# Altium PCB LOGTURTLE_APR_25_TX.PcbDoc (part 1 of 5) (continued)
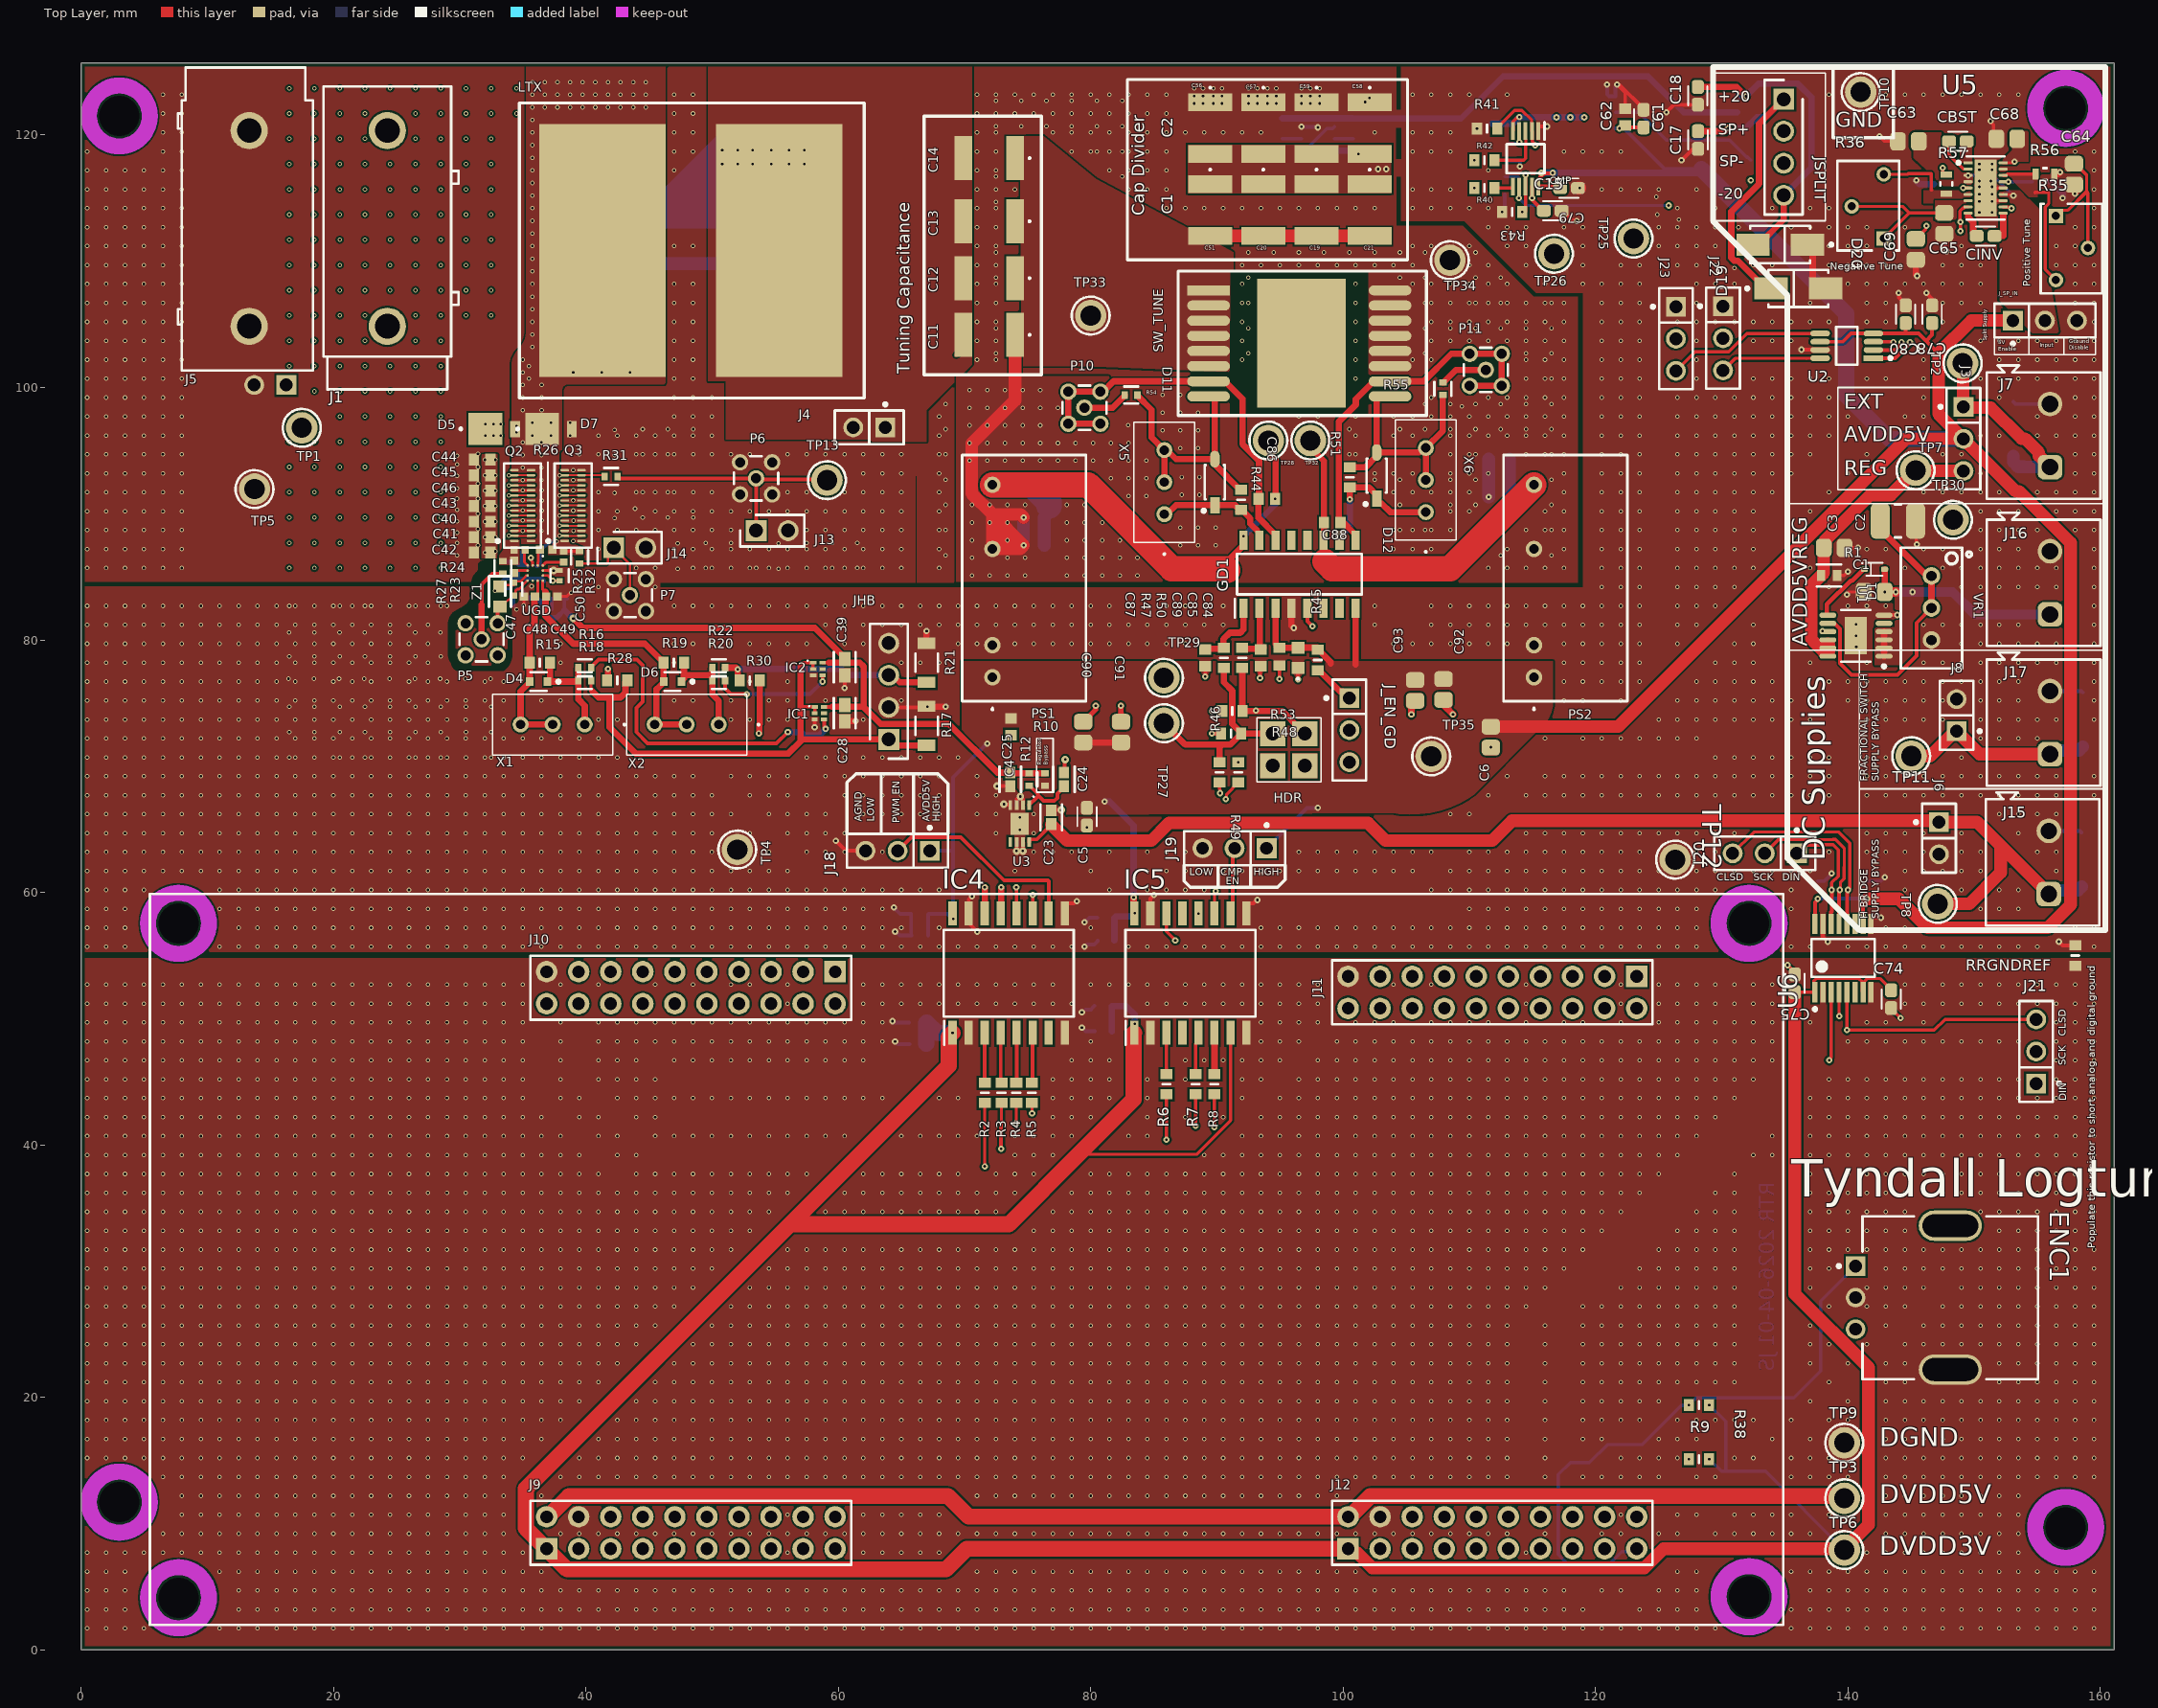
[diagram p0: Top Layer view]
## Part data (continued)
C4 C53 C55 C62 C70 C72 C86 C88: library part CC0603KRX7R7BB104, "Ceramic Capacitor, Multilayer, Ceramic, 16V, 10% +Tol, 10% -Tol, X7R, 15% TC, 0.1uF, Surface Mount, 0603 https://www.digikey.ie/en/products/detail/yageo/CC0603KRX7R7BB104/302822", Capacitor Type=Ceramic, Case/Package=0603, Manufacturer=Yageo, Max Operating Temperature=125°C, Min Operating Temperature=-55°C, Package Shape=Rectangular, Package Style=SMTMeter, Rated DC Voltage (URdc)=16V, Supplier Part Number=311-1088-1-ND, Temperature Characteristics Code=X7R, Tolerance  (fill in as +-)=10%, Category="Ceramic Capacitors", ComponentLink1Description=https://datasheet.ciiva.com:443/pdfs/VipMasterIC/IC/YAGO/YAGO-S-A0003557223/YAGO-S-A0003557223-1.pdf?src-supplier=IHS+Markit, ComponentLink1URL=https://datasheet.ciiva.com:443/pdfs/VipMasterIC/IC/YAGO/YAGO-S-A0003557223/YAGO-S-A0003557223-1.pdf?src-supplier=IHS+Markit, ComponentLink2Description=https://datasheet.ciiva.com/11786/0900766b80d84f1d-11786077.pdf?src-supplier=Rs, ComponentLink2URL=https://datasheet.ciiva.com/11786/0900766b80d84f1d-11786077.pdf?src-supplier=Rs, ComponentLink3Description=https://datasheet.ciiva.com/8033/70765-8033799.pdf?src-supplier=Element14, ComponentLink3URL=https://datasheet.ciiva.com/8033/70765-8033799.pdf?src-supplier=Element14, ComponentLink4Description=https://datasheet.ciiva.com/7978/1489800-7978141.pdf?src-supplier=Element14, ComponentLink4URL=https://datasheet.ciiva.com/7978/1489800-7978141.pdf?src-supplier=Element14, ComponentLink5Description=https://datasheet.ciiva.com/28450/1489800-28450552.pdf?src-supplier=Element14, ComponentLink5URL=https://datasheet.ciiva.com/28450/1489800-28450552.pdf?src-supplier=Element14, ComponentLink6Description=https://datasheet.ciiva.com/46430/1734573-46430156.pdf?src-supplier=Element14, ComponentLink6URL=https://datasheet.ciiva.com/46430/1734573-46430156.pdf?src-supplier=Element14, ComponentLink7Description=https://datasheet.ciiva.com/144/mlccorderingcode-144183.pdf?src-supplier=Digikey, ComponentLink7URL=https://datasheet.ciiva.com/144/mlccorderingcode-144183.pdf?src-supplier=Digikey, ComponentLink8Description=https://datasheet.ciiva.com/144/mlccorderingcode-144182.pdf?src-supplier=Digikey, ComponentLink8URL=https://datasheet.ciiva.com/144/mlccorderingcode-144182.pdf?src-supplier=Digikey, ComponentLink9Description=https://datasheet.ciiva.com/144/mlccorderingcode-144184.pdf?src-supplier=Digikey, ComponentLink9URL=https://datasheet.ciiva.com/144/mlccorderingcode-144184.pdf?src-supplier=Digikey, ComponentLink10Description=https://datasheet.ciiva.com/8033/1734573-8033797.pdf?src-supplier=Element14, ComponentLink10URL=https://datasheet.ciiva.com/8033/1734573-8033797.pdf?src-supplier=Element14, ComponentLink11Description=https://datasheet.ciiva.com/13395/upy-gphc-x7r-6-3v-to-50v-8-13395674.pdf?src-supplier=Mouser, ComponentLink11URL=https://datasheet.ciiva.com/13395/upy-gphc-x7r-6-3v-to-50v-8-13395674.pdf?src-supplier=Mouser, Dielectric Material=Ceramic, Height=0.8mm, JESD-609 Code=e3, Length=1.6mm, Manufacturer Part Number=CC0603KRX7R7BB104, Mounting Technology="Surface Mount", Multilayer=Yes, Packaging="Tape and Reel", Pins=2, Reach SVHC Compliant=Yes, RoHS=Yes, RoHS Compliant=Yes, Stock=8597331, Supplier=Digikey, Terminal Finish=Nickel, Termination=Wraparound, Tolerance (fill in as +-)=10%, Width=0.8mm
C5 C54 C60 C61 C71 C73 C74 C75 C76 C77 C78 C80 CBST CINV: library part CC0603KRX7R7BB105, "Ceramic Capacitor, Multilayer, Ceramic, 16V, 10% +Tol, 10% -Tol, X7R, 15% TC, 1uF, Surface Mount, 0603 https://www.digikey.ie/en/products/detail/yageo/CC0603KRX7R7BB105/2833611", Capacitor Type=Ceramic, Case/Package=0603, Manufacturer=Yageo, Max Operating Temperature=125°C, Min Operating Temperature=-55°C, Package Shape=Rectangular, Package Style=SMTMeter, Rated DC Voltage (URdc)=16V, Supplier Part Number=311-1446-6-ND, Temperature Characteristics Code=X7R, Tolerance  (fill in as +-)=10%, Category="Ceramic Capacitors", ComponentLink1Description=https://datasheet.ciiva.com:443/pdfs/VipMasterIC/IC/YAGO/YAGO-S-A0003557223/YAGO-S-A0003557223-1.pdf?src-supplier=IHS+Markit, ComponentLink1URL=https://datasheet.ciiva.com:443/pdfs/VipMasterIC/IC/YAGO/YAGO-S-A0003557223/YAGO-S-A0003557223-1.pdf?src-supplier=IHS+Markit, ComponentLink2Description=https://datasheet.ciiva.com/8033/1734573-8033801.pdf?src-supplier=Element14, ComponentLink2URL=https://datasheet.ciiva.com/8033/1734573-8033801.pdf?src-supplier=Element14, ComponentLink3Description=https://datasheet.ciiva.com/8033/1734573-8033800.pdf?src-supplier=Element14, ComponentLink3URL=https://datasheet.ciiva.com/8033/1734573-8033800.pdf?src-supplier=Element14, ComponentLink4Description=https://datasheet.ciiva.com/7978/1489800-7978143.pdf?src-supplier=Element14, ComponentLink4URL=https://datasheet.ciiva.com/7978/1489800-7978143.pdf?src-supplier=Element14, ComponentLink5Description=https://datasheet.ciiva.com/28450/1489800-28450557.pdf?src-supplier=Element14, ComponentLink5URL=https://datasheet.ciiva.com/28450/1489800-28450557.pdf?src-supplier=Element14, ComponentLink6Description=https://datasheet.ciiva.com/176/mlccorderingcode-176789.pdf?src-supplier=Digikey, ComponentLink6URL=https://datasheet.ciiva.com/176/mlccorderingcode-176789.pdf?src-supplier=Digikey, ComponentLink7Description=https://datasheet.ciiva.com/176/mlccorderingcode-176788.pdf?src-supplier=Digikey, ComponentLink7URL=https://datasheet.ciiva.com/176/mlccorderingcode-176788.pdf?src-supplier=Digikey, ComponentLink8Description=https://datasheet.ciiva.com/176/mlccorderingcode-176790.pdf?src-supplier=Digikey, ComponentLink8URL=https://datasheet.ciiva.com/176/mlccorderingcode-176790.pdf?src-supplier=Digikey, ComponentLink9Description=https://datasheet.ciiva.com/5425/upy-gphc-x7r-6-3v-to-50v-8-12304-5425495.pdf?src-supplier=Mouser, ComponentLink9URL=https://datasheet.ciiva.com/5425/upy-gphc-x7r-6-3v-to-50v-8-12304-5425495.pdf?src-supplier=Mouser, Dielectric Material=Ceramic, Height=0.8mm, JESD-609 Code=e3, Length=1.6mm, Manufacturer Part Number=CC0603KRX7R7BB105, Mounting Technology="Surface Mount", Multilayer=Yes, Packaging="Tape and Reel", Pins=2, Reach SVHC Compliant=Yes, RoHS=Yes, RoHS Compliant=Yes, Stock=9128438, Supplier=Digikey, Terminal Finish=Nickel, Termination=Wraparound, Tolerance (fill in as +-)=10%, Width=0.8mm
C7 C8 C9 C10 C11 C12 C13 C14 C56 C57 C58 C59: "Capacitor", Manufacturer_Name=YAGEO, Datasheet Link=https://content.kemet.com/datasheets/KEM_C1080_C0G_HV_AUTO_SMD.pdf, Height=1.55mm, Manufacturer_Part_Number=C1812C102JDGACAUTO
C19 C20 C21 C51: library part C1812C102JDGACAUTO, "Capacitor", Manufacturer_Name=YAGEO, Datasheet Link=https://content.kemet.com/datasheets/KEM_C1080_C0G_HV_AUTO_SMD.pdf, Height=1.55mm, Manufacturer_Part_Number=C1812C102JDGACAUTO
C22 C26: library part CMP-2100-03641-2, "CAP CER 0.1UF 16V X7R 0402", Capacitance=0.10μF, Manufacturer=Murata, Package=GRM15, Temperature="-55°C to +125°C", Temperature Characteristic=X7R, Temperature Range High=+125°C, Temperature Range Low=-55°C, Tolerance=10%, Voltage Rating=16Vdc, Category=Cap, ComponentLink2Description=Datasheet, ComponentLink2URL=https://search.murata.co.jp/Ceramy/image/img/A01X/G101/ENG/GRM155R71H471KA01-01A.pdf, Device Class L1="Passive Components", Device Class L2=Capacitors, Device Class L3="Ceramic Capacitors", Digikey Description="CAP CER 0.1UF 16V X7R 0402", Height=0.55mm, Ipc Land Pattern Name=CAPC10050X219, Lead Free=yes, Manufacturer Part Number=GRM155R71C104KA88D, Material=Ceramic, Mouser Description="0402 0.1 uF 16V ±10 % Tolerance X7R SMT Multilayer Ceramic Capacitor", Octopart=https://octopart.com/grm155r71c104ka88d-murata-196880, RoHS=TRUE, Standoff Height=0mm
C23 C24 C25: library part CMP-08246-005723-1, "Multilayer Ceramic Capacitors 1μF ±10% 25V X7R SMD 0603", Capacitance=1uF, Case Code (Imperial)=0603, Case Code (Metric)=1608, Dielectric=X7R, Dielectric Material=Ceramic, Max Operating Temperature=125°C, Min Operating Temperature=-55°C, Package Quantity=4000, Tolerance=10%, Voltage=25V, Case/Package=0603, Construction=Flat, Depth=0.8mm, Height=0.8mm, Lead Free="Lead Free", Length=1.6mm, Mount="Surface Mount", Packaging="Tape and Reel", Radiation Hardening=No, REACH SVHC="No SVHC", Resistor Type=Ceramic, RoHS Compliant=Yes, Series=C, Termination=SMD/SMT, Thickness=0.037inch, Voltage Rating=25V, Voltage Rating (DC)=25V, Weight=7.1E-05oz, Width=0.031inch
C27: library part CMP-08246-005626-1, "Multilayer Ceramic Capacitors 22nF ±10% 25V X7R SMD 0402", Capacitance=22nF, Case Code (Imperial)=0402, Case Code (Metric)=1005, Dielectric=X7R, Dielectric Material=Ceramic, Max Operating Temperature=125°C, Min Operating Temperature=-55°C, Package Quantity=1, Tolerance=10%, Voltage Rating=25V, Case/Package=0402, Construction=Flat, Depth=0.5mm, Height=0.5mm, Lead Free="Lead Free", Length=1mm, Mount="Surface Mount", Number of Pins=2, Packaging="Tape and Reel", Radiation Hardening=No, REACH SVHC="No SVHC", Resistor Type=Ceramic, RoHS Compliant=Yes, Series=C, Termination=SMD/SMT, Thickness=0.022inch, Voltage Rating (DC)=25V, Weight=2.3E-05oz, Width=0.02inch
C28 C39: library part CMP-2000-05395-2, "Multilayer Ceramic Capacitors 100nF ±10% 25V X7R SMD 0603", Capacitance=100nF, Case Code (Imperial)=0603, Case Code (Metric)=1608, Dielectric=X7R, Dielectric Material=Ceramic, Max Operating Temperature=125°C, Min Operating Temperature=-55°C, Package Quantity=1, Tolerance=10%, Voltage=25V, Case/Package=0603, Construction=Flat, Depth=0.8mm, Height=0.8mm, Lead Free="Lead Free", Length=1.6mm, Mount="Surface Mount", Number of Pins=2, Packaging="Tape and Reel", Radiation Hardening=No, REACH SVHC="No SVHC", Resistor Type=Ceramic, RoHS Compliant=Yes, Series=C, Termination=SMD/SMT, Thickness=0.037inch, Voltage Rating=25V, Voltage Rating (DC)=25V, Weight=7.1E-05oz, Width=0.031inch
C29 C30 C31 C32 C33 C34 C35 C36 C37 C38: "Multilayer Ceramic Capacitors 1μF ±20% 100V X7S SMD 0805", Capacitance=1uF, Manufacturer_Name=TDK, Mouser Part Number=810-C2012X7S2A105M, Datasheet Link=https://product.tdk.com/info/en/catalog/datasheets/mlcc_commercial_midvoltage_en.pdf, Height=1.45mm, Manufacturer_Part_Number=C2012X7S2A105M125AB, Mouser Price/Stock=https://www.mouser.co.uk/ProductDetail/TDK/C2012X7S2A105M125AB/?qs=NRhsANhppD%252BVdUt3hZqBMQ%3D%3D
C40 C41 C42 C43 C44 C45 C46: "Capacitor", Capacitance=100nF, Manufacturer_Name="TAIYO YUDEN", Mouser Part Number=963-HMK107C7224KAHTE, Datasheet Link=https://componentsearchengine.com/Datasheets/1/HMK107C7224KAHTE.pdf, Height=0.9mm, Manufacturer_Part_Number=HMK107C7224KAHTE, Mouser Price/Stock=https://www.mouser.co.uk/ProductDetail/Taiyo-Yuden/HMK107C7224KAHTE?qs=VWNNG7jHlrKdSvXhIn%252BDVA%3D%3D
C47: library part CMP-03422-000286-1, "CAP CER 0.1UF 25V X7R 0402", Capacitance="100 nF", Manufacturer=YAGEO, Package=CC0402, Temperature="-55°C to +125°C", Temperature Characteristic=X7R, Temperature Coefficient=30ppm/°C, Temperature Range High=+125°C, Temperature Range Low=-55°C, Tolerance=0.1, Voltage Rating="25 V", Automotive=No, Automotive Grade=NA, Category=Cap, ComponentLink2Description=Datasheet, ComponentLink2URL=http://www.yageo.com/documents/recent/UPY-GP_NP0_16V-to-50V_16.pdf, Device Class L1="Passive Components", Device Class L2=Capacitors, Device Class L3="Ceramic Capacitors", Digikey Description="CAP CER 0.1UF 25V X7R 0402", Footprint Url=http://www.yageo.com/exep/pages/download/literatures/UPY-C_GEN_24.pdf, Height=0.55mm, Ipc Land Pattern Name=CAPC10050X50, Lead Free=Yes, Manufacturer Part Number=CC0402KRX7R8BB104, Material=Ceramic, Mouser Description="Multilayer Ceramic Capacitors MLCC - SMD/SMT 100nF 25V X7R 10%", Octopart=https://octopart.com/cc0402krx7r8bb104-yageo-22850997, RoHS=TRUE
C48 C49: library part CMP-2008-00756-1, Manufacturer=Vishay, Part Number=VJ0402A101KXAMC
C50: library part CMP-2000-05997-2, "CAP CER 4.7UF 10V X5R 0402", Capacitance=4.7uF, Case Code (Imperial)=0402, Case Code (Metric)=1005, Dielectric=X5R, Dielectric Material=Ceramic, Max Operating Temperature=85°C, Min Operating Temperature=-55°C, Package Quantity=10000, Tolerance=10%, Voltage Rating=10V, Case/Package=0402, Lead Free="Lead Free", Length=0.039inch, Mount="Surface Mount", Packaging="Cut Tape", REACH SVHC="No SVHC", RoHS Compliant=Yes, Series=C, Thickness=0.022inch, Voltage Rating (DC)=10V, Width=0.02inch
C84: "Capacitor, 10000 pF ±10% 50V Ceramic Capacitor X7R 0603 (1608 Metric)", Manufacturer_Name=YAGEO, Mouser Part Number=80-C0603C103K5R, Arrow Part Number=C0603C103K5RACTU, Arrow Price/Stock=https://www.arrow.com/en/products/c0603c103k5ractu/kemet-corporation?utm_currency=USD&region=nac, Datasheet Link=https://content.kemet.com/datasheets/KEM_C1002_X7R_SMD.pdf, Height=0.87mm, Manufacturer_Part_Number=C0603C103K5RACTU, Mouser Price/Stock=https://www.mouser.co.uk/ProductDetail/KEMET/C0603C103K5RACTU?qs=aZBT8IJKz4hu1X55tMAU6Q%3D%3D
C85: "Capacitor, 0.1 µF ±10% 50V Ceramic Capacitor X7R 0603 (1608 Metric)", Manufacturer_Name=YAGEO, Arrow Part Number=C0603C104K5RACTU7042, Arrow Price/Stock=https://www.arrow.com/en/products/c0603c104k5ractu7042/kemet-corporation, Datasheet Link=https://www.arrow.com/en/products/c0603c104k5ractu7042/kemet-corporation, Height=0.95mm, Manufacturer_Part_Number=C0603C104K5RACTU7042
C87 C89: "Capacitor, 100 pF ±5% 50V Ceramic Capacitor C0G, NP0 0603 (1608 Metric)", Manufacturer_Name=SAMSUNG, Mouser Part Number=187-CL10C101JB8NNNC, Arrow Part Number=CL10C101JB8NNNC, Arrow Price/Stock=https://www.arrow.com/en/products/cl10c101jb8nnnc/samsung-electro-mechanics?region=europe, Datasheet Link=https://lcsc.componentsearchengine.com/Datasheets/2/CL10C101JB8NNNC.pdf, Height=0.9mm, Manufacturer_Part_Number=CL10C101JB8NNNC, Mouser Price/Stock=https://www.mouser.co.uk/ProductDetail/Samsung-Electro-Mechanics/CL10C101JB8NNNC?qs=349EhDEZ59pXXooLigsK%2FQ%3D%3D
CMP: "Integrated Circuit", Manufacturer_Name="Texas Instruments", Mouser Part Number=595-TLV1872DGSR, Arrow Part Number=TLV1872DGSR, Arrow Price/Stock=https://www.arrow.com/en/products/tlv1872dgsr/texas-instruments?utm_currency=USD&region=nac, Datasheet Link=https://www.ti.com.cn/cn/lit/ds/symlink/tlv1872.pdf?ts=1725938037960&ref_url=https%253A%252F%252Fwww.ti.com.cn%252Fproduct%252Fcn%252FTLV1872, Height=1.1mm, Manufacturer_Part_Number=TLV1872DGSR, Mouser Price/Stock=https://www.mouser.co.uk/ProductDetail/Texas-Instruments/TLV1872DGSR?qs=ZcfC38r4PotGaIsZlTBhhw%3D%3D
D1: library part 1N4148WT, "Rectifier Diode, 1 Phase, 1 Element, 0.3A, 75V V(RRM), Silicon https://www.digikey.ie/en/products/detail/onsemi/1N4148WT/1954014", Manufacturer="ON Semiconductor / Fairchild", Supplier Part Number=7614283P, Category="Rectifier Diodes", ComponentLink1Description=https://datasheet.ciiva.com/16744/1n4148wt-16744972.pdf?src-supplier=Future+Electronics, ComponentLink1URL=https://datasheet.ciiva.com/16744/1n4148wt-16744972.pdf?src-supplier=Future+Electronics, ComponentLink2Description=https://datasheet.ciiva.com/30479/0900766b810e1cd4-30479226.pdf?src-supplier=Rs, ComponentLink2URL=https://datasheet.ciiva.com/30479/0900766b810e1cd4-30479226.pdf?src-supplier=Rs, ComponentLink3Description=https://datasheet.ciiva.com/15208/getdatasheetpartid-146392-15208359.pdf?src-supplier=Verical, ComponentLink3URL=https://datasheet.ciiva.com/15208/getdatasheetpartid-146392-15208359.pdf?src-supplier=Verical, ComponentLink4Description=https://datasheet.ciiva.com/916/1n914bwt-916865.pdf?src-supplier=Digikey, ComponentLink4URL=https://datasheet.ciiva.com/916/1n914bwt-916865.pdf?src-supplier=Digikey, ComponentLink5Description=https://datasheet.ciiva.com/916/1n914bwt-916866.pdf?src-supplier=Digikey, ComponentLink5URL=https://datasheet.ciiva.com/916/1n914bwt-916866.pdf?src-supplier=Digikey, ComponentLink6Description=https://datasheet.ciiva.com/916/1n914bwt-916864.pdf?src-supplier=Digikey, ComponentLink6URL=https://datasheet.ciiva.com/916/1n914bwt-916864.pdf?src-supplier=Digikey, Diode Type=RECTIFIER, Manufacturer Part Number=1N4148WT, Pricing="500=0.029, 1000=0.025, 2500=0.022 (EUR)", RoHS=Yes, RoHS Compliant=Yes, Stock=67900, Supplier=Rs
D2 D3 D4 D6: library part CMP-12790-000003-1, "DIODE SCHOTTKY 30V 30MA SOD523", Capacitance=2pF, Forward Current=30mA, Manufacturer="Diodes Inc.", Max Junction Temp=+125°C, Max Repetitive Reverse Voltage=40V, Max Surge Forward Current=200mA, Package=SOD523, Peak Reverse Current=0.5uA, Reverse Voltage=30V, Temperature="-40°C to +125°C", Temperature Range Low=-40°C, Automotive=Yes, Automotive Grade="Grade 1", Category=Diode, ComponentLink2Description=Datasheet, ComponentLink2URL=https://www.diodes.com/assets/Datasheets/ds30392.pdf, Device Class L1="Discrete Semiconductors", Device Class L2=Diodes, Device Class L3="Schottky Diodes", Digikey Description="DIODE SCHOTTKY 30V 30MA SOD523", Footprint Url=https://www.diodes.com/assets/Package-Files/SOD523.pdf, Height=0.65mm, Lead Free=Yes, Manufacturer Part Number=SDM03U40-7, Mouser Description="Schottky Diodes & Rectifiers 40V 150mW", Octopart=https://octopart.com/sdm03u40-7-diodes+inc.-333863, RoHS=TRUE, Temperature Range High=+125°C
D5 D7: "Schottky Diode", Arrow Part Number=SS2PH10-M3/84A, Manufacturer_Name=Vishay, Mouser Part Number=625-SS2PH10-M3, Arrow Price/Stock=https://www.arrow.com/en/products/ss2ph10-m384a/vishay?utm_currency=USD&region=nac, Datasheet Link=https://www.vishay.com/docs/84682/ss2ph9.pdf, Manufacturer_Part_Number=SS2PH10-M3/84A, Mouser Price/Stock=https://www.mouser.co.uk/ProductDetail/Vishay-General-Semiconductor/SS2PH10-M3-84A?qs=2u8eEi%2F8yFWdOPY7KNSV1w%3D%3D
D8: library part CMP-12187-000026-1, "DIODE SCHOTTKY 40V 300MA SOD523", Capacitance=7pF, Forward Current=300mA, Manufacturer=STMicroelectronics, Max Junction Temp=+150°C, Max Repetitive Reverse Voltage=40V, Max Surge Forward Current=1.25A, Package=SOD-523, Peak Reverse Current=1uA, Temperature="-40°C to +150°C", Temperature Range Low=-40°C, Automotive=No, Category=Diode, ComponentLink2Description=Datasheet, ComponentLink2URL=https://www.st.com/content/ccc/resource/technical/document/datasheet/07/50/54/f2/0d/ba/4a/79/CD00001322.pdf/files/CD00001322.pdf/jcr:content/translations/en.CD00001322.pdf, Device Class L1="Discrete Semiconductors", Device Class L2=Diodes, Device Class L3="Schottky Diodes", Digikey Description="DIODE SCHOTTKY 40V 300MA SOD523", Height=0.7mm, Lead Free=Yes, Manufacturer Part Number=BAT54KFILM, Mouser Description="Schottky Diodes & Rectifiers schottky diode", Octopart=https://octopart.com/bat54kfilm-stmicroelectronics-39618022, RoHS=TRUE, Temperature Range High=+150°C
D11 D12: library part CMP-56206-000012-1, "DIODE SCHOTTKY 20V 1A SOD123", Average Rectified Current=1A, Forward Voltage=360mV, Max Forward Surge Current (Ifsm)=12A, Max Operating Temperature=125°C, Max Power Dissipation=556mW, Max Repetitive Reverse Voltage (Vrrm)=20V, Min Operating Temperature=-65°C, Package Quantity=1, Element Configuration=Single, Forward Current=1A, Lead Free="Lead Free", Max Reverse Voltage (DC)=20V, Max Surge Current=12A, Mount="Surface Mount", Number of Pins=2, Packaging="Tape and Reel", Peak Non-Repetitive Surge Current=12A, Radiation Hardening=No, RoHS Compliant=Yes
D16 D17 D18 D19 D20: library part CMP-2000-04943-2, "DIODE SCHOTTKY 40V 1A SMA", Forward Current=1A, Manufacturer="ON Semiconductor", Max Junction Temp=+125°C, Max Repetitive Reverse Voltage=40V, Max Surge Forward Current=40A, Package=403AE, Peak Reverse Current=0.2mA, Temperature="-65°C to +125°C", Temperature Range Low=-65°C, Automotive=No, Category=Diode, ComponentLink2Description=Datasheet, ComponentLink2URL=https://www.onsemi.com/pub/Collateral/SS19-D.PDF, Device Class L1="Discrete Semiconductors", Device Class L2=Diodes, Device Class L3="Schottky Diodes", Digikey Description="DIODE SCHOTTKY 40V 1A SMA", Height=2.5mm, Lead Free=Yes, Manufacturer Part Number=SS14, Mouser Description="Schottky Diodes & Rectifiers SMA 40V 1.0A", Octopart=https://octopart.com/ss14-on+semiconductor-29205033, RoHS=TRUE, Standoff Height=0.05mm, Temperature Range High=+125°C
ENC1: library part CMP-07421-000024-1, "ROTARY ENCODER MECHANICAL 12PPR", Max Operating Temperature=70°C, Min Operating Temperature=-30°C, Package Quantity=75, Built in Switch=No, Detent=Yes, Encoder Type=Mechanical, Height=13.4mm, Length=26.5mm, Mount="Through Hole", Number Of Channels=2, Orientation=Vertical, Output Type=Quadrature, Packaging=Bulk, Pulses per Revolution=12, RoHS Compliant=Yes, Termination="PC Pin", Width=12.5mm
GD1: "Integrated Circuit", Arrow Part Number=SI8275GBD-IS1, Manufacturer_Name="Silicon Labs", Mouser Part Number=634-SI8275GBD-IS1, Arrow Price/Stock=https://www.arrow.com/en/products/si8275gbd-is1/silicon-labs, Datasheet Link=https://www.silabs.com/documents/public/data-sheets/Si827x.pdf, Height=1.75mm, Manufacturer_Part_Number=Si8275GBD-IS1, Mouser Price/Stock=https://www.mouser.co.uk/ProductDetail/Silicon-Labs/SI8275GBD-IS1?qs=j6MGy4L9yX2SPc9HOZMvjA%3D%3D
HDR: "Connector Header Through Hole 4 position 0.100\" (2.54mm), PH2-04-UA"
IC1: "Integrated Circuit", Manufacturer_Name=onsemi, Mouser Part Number=512-NC7SZ08L6X, Arrow Part Number=NC7SZ08L6X, Arrow Price/Stock=https://www.arrow.com/en/products/nc7sz08l6x/on-semiconductor, Datasheet Link=https://www.onsemi.com/pub/Collateral/NC7SZ08-D.PDF, Height=0.55mm, Manufacturer_Part_Number=NC7SZ08L6X, Mouser Price/Stock=https://www.mouser.co.uk/ProductDetail/onsemi-Fairchild/NC7SZ08L6X?qs=u2B728UsA6qfPyNlTO4c7w%3D%3D
IC2: "Integrated Circuit", Manufacturer_Name=onsemi, Mouser Part Number=512-NC7SZ00L6X, Arrow Part Number=NC7SZ00L6X, Arrow Price/Stock=https://www.arrow.com/en/products/nc7sz00l6x/on-semiconductor, Datasheet Link=https://www.onsemi.com/pub/Collateral/NC7SZ00-D.PDF, Height=0.55mm, Manufacturer_Part_Number=NC7SZ00L6X, Mouser Price/Stock=https://www.mouser.co.uk/ProductDetail/ON-Semiconductor-Fairchild/NC7SZ00L6X/?qs=AFLC8Sm4xaWQG%252BOWUdD%2FRg%3D%3D
IC3: "MOSFET (N-Channel)", Manufacturer_Name="Diodes Incorporated", Mouser Part Number=621-DMN601DMK-7, Arrow Part Number=DMN601DMK-7, Arrow Price/Stock=https://www.arrow.com/en/products/dmn601dmk-7/diodes-incorporated, Datasheet Link=https://www.diodes.com//assets/Datasheets/ds30657.pdf, Height=1.4mm, Manufacturer_Part_Number=DMN601DMK-7, Mouser Price/Stock=https://www.mouser.co.uk/ProductDetail/Diodes-Incorporated/DMN601DMK-7?qs=mQbszxtPdlMzhImbd%2FELhA%3D%3D
IC4: library part ISO6440FDWR, "Texas Instruments ISO6740FDWR", Manufacturer_Name="Texas Instruments", Manufacturer_Part_Number=ISO6441FDWR, Datasheet Link=https://www.ti.com/lit/ds/symlink/iso6441.pdf?ts=1759392249492&ref_url=https%253A%252F%252Fwww.ti.com%252Fproduct%252FISO6441, Height=2.55mm
IC5: "Texas Instruments ISO6742FDWR", Manufacturer_Name="Texas Instruments", Manufacturer_Part_Number=ISO6441FDWR, Datasheet Link=https://www.ti.com/lit/ds/symlink/iso6441.pdf?ts=1759392249492&ref_url=https%253A%252F%252Fwww.ti.com%252Fproduct%252FISO6441, Height=2.55mm
J1: library part CMP-12400-000001-2, "Banana Test Connector, 4mm, Socket, PCB Mount, 24 A, 60 VDC, Silver Plated Contacts, Green", Current Rating=20A, Voltage Rating=30V, Contact Material=Brass, Contact Plating=Silver, Gender=Male, Length=24mm, REACH SVHC="No SVHC", RoHS Compliant=Yes, Termination=Solder, Voltage Rating (DC)=30V
J2 J4 J6 J8: library part CMP-02766-001740-1, "CONN HEADER VERT 2POS 2.54MM", Color=Black, Flammability Rating="UL94 V-0", Max Current Rating=7.6A, Max Operating Temperature=125°C, Max Voltage Rating (AC)=550V, Min Operating Temperature=-55°C, Package Quantity=1, Connector Type=Header, Contact Finish - Mating=GOLD, Contact Material=Bronze, Contact Mating Length=0.32inch, Contact Plating=Gold, Contact Shape=Square, Contact Type="Male Pin", Depth=2.54mm, Fastening Type=Pull, Gender=Male, Housing Color=Black, Housing Material=Polyester, Insulation Color=Black, Insulation Material=PBT, Lead Free="Lead Free", Length=5.08mm, Mount="Through Hole", Number of Contacts=2, Number of Positions=2, Number of Rows=1, Orientation=Straight, Packaging=Bulk, Pitch=2.54mm, Radiation Hardening=No, REACH SVHC="No SVHC", RoHS Compliant=Yes, Series=TSW, Termination=Solder, Width=2.54mm
J3 J18 J19 J20 J21 J22 J23 J_EN_GD J_SP_IN: library part CMP-02766-001743-1, "CONN HEADER VERT 3POS 2.54MM", Color=Black, Flammability Rating="UL94 V-0", Max Current Rating=7.6A, Max Operating Temperature=125°C, Max Voltage Rating (AC)=550V, Min Operating Temperature=-55°C, Package Quantity=1, Connector Type=Header, Contact Finish - Mating=GOLD, Contact Material=Bronze, Contact Mating Length=0.32inch, Contact Plating=Gold, Contact Shape=Square, Contact Type="Male Pin", Depth=2.54mm, Fastening Type=Pull, Gender=Male, Height=10.67mm, Housing Color=Black, Housing Material=Polyester, Insulation Color=Black, Insulation Material=PBT, Lead Free="Lead Free", Length=7.62mm, Mount="Through Hole", Number of Contacts=3, Number of Positions=3, Number of Rows=1, Orientation=Straight, Packaging=Bulk, Pitch=2.54mm, Radiation Hardening=No, REACH SVHC="No SVHC", RoHS Compliant=Yes, Series=TSW, Termination=Solder, Width=2.54mm
J5: library part CMP-12400-000002-2, "RECEPTACLE, 20A, 4MM, PCB, SOLDER, BLACK", Current Rating=20A, Contact Material=Brass, Contact Plating=Silver, Gender=Male, Length=24mm, REACH SVHC="No SVHC", Termination=Solder
J7 J15 J16 J17: library part CMP-1502-03295-3, "Wire-To-Board Terminal Block, 5mm Pitch, Horizontal, Screw, 2 Poles"
J13 J14: "Connector", Manufacturer_Name="Adam Tech", Mouser Part Number=737-PH1-02-UA, Arrow Part Number=PH1-02-UA, Arrow Price/Stock=https://www.arrow.com/en/products/ph1-02-ua/adam-tech?utm_currency=USD&region=europe, Datasheet Link=https://datasheet.datasheetarchive.com/originals/distributors/Datasheets_SAMA/22522227e000bb8d8f26a3580c1bb98b.pdf, Height=8.5mm, Manufacturer_Part_Number=PH1-02-UA, Mouser Price/Stock=https://www.mouser.co.uk/ProductDetail/Adam-Tech/PH1-02-UA?qs=HoCaDK9Nz5dVT5LAE%2F6mlA%3D%3D
LTX: library part InductorTX
P5 P6 P7 P10 P11: library part CMP-03913-103108763-2, "Connector, Tht Mount, Straight, 0.7 Cbl Dia., 50 Ohms, Wr-mmcx", Insulation Resistance=1GΩ, Max Operating Temperature=155°C, Min Operating Temperature=-55°C, Connector Type=MMCX, Impedance=50Ω, Insertion Loss (dB)=0.25dB, Insulation Material=PTFE
PS1 PS2: "Power Supply", Manufacturer_Name="RECOM Power", Manufacturer_Part_Number=R05P12S/R8, Mouser Part Number=919-R05P12SR8, Datasheet Link=https://www.mouser.de/datasheet/2/468/RxxPxx_R-1710046.pdf, Height=13mm, Mouser Price/Stock=https://www.mouser.co.uk/ProductDetail/RECOM-Power/R05P12S-R8?qs=%252BHKxvJ84kqo5EQ%2FKTjgTzw%3D%3D
Q1: library part CMP-166566-000002-1, "GAN TRANS 100V 2.8OHM BUMPED DIE", Continuous Drain Current=0.5A, Drain To Source Breakdown Voltage=100V, Drain To Source Resistance=2100mΩ, Gate To Source Voltage=6V, Input Capacitace At Vds="7pF @ 50V", Manufacturer=EPC, Max Junction Temp=+150°C, Package=0, Temperature="-40°C to +150°C", Temperature Range Low=-40°C, Typ Forward Diode Voltage=2.9V, Automotive=No, Category=Trans, ComponentLink2Description=Datasheet, ComponentLink2URL=https://epc-co.com/epc/documents/datasheets/EPC2038_datasheet.pdf, Depletion Mode=False, Device Class L1="Discrete Semiconductors", Device Class L2=Transistors, Device Class L3=MOSFETs, Digikey Description="GAN TRANS 100V 2.8OHM BUMPED DIE", Drain To Source Voltage=100V, Gate Charge At Vgs="44pC @ 5V", Height=0.815mm, Ipc Land Pattern Name=BGA4N45P2X2_90X90X81, Lead Free=Yes, Manufacturer Part Number=EPC2038, Number Of Channels=1, Number Of N Channels=1, Octopart=https://octopart.com/epc2038-epc-81758250, Pulse Drain Current=0.5A, Reverse Recovery Charge=0nC, RoHS=TRUE, Rthja Max=100°C/W, Standoff Height=0.148mm, Technology=GaN, Temperature Range High=+150°C, Threshold Vgs Max=2.5V, Threshold Vgs Min=0.8V
Q2 Q3: library part CMP-166566-000008-1, "GANFET N-CH 80V 90A DIE", Continuous Drain Current (ID)=90A, Drain to Source Voltage (Vdss)=80V, Input Capacitance=1.94nF, Max Operating Temperature=150°C, Min Operating Temperature=-40°C, Mount="Surface Mount", Packaging="Tape and Reel", Rds On Max=2.2mR
R1: library part CMP-02407-000418-1, "RES SMD 100 OHM 1% 1/8W 0603", Case Code (Imperial)=0603, Case Code (Metric)=1608, Max Operating Temperature=125°C, Max Power Dissipation=125mW, Min Operating Temperature=-55°C, Package Quantity=1, Power Rating=100mW, Resistance=10kR, Temperature Coefficient=50ppm/°C, Tolerance=1%, Voltage Rating=75V, Case/Package=0603, Composition="Thin Film", Contact Plating=Tin, Depth=0.85mm, Height=0.022inch, Lead Free="Lead Free", Length=1.55mm, Military Standard=Not, Mount="Surface Mount", Number of Terminations=2, Packaging="Tape and Reel", Radiation Hardening=No, Voltage Rating (DC)=75V, Width=0.8mm
R2 R3 R4 R5 R6 R7 R8 R15 R19 R28 R30 R44 R46 R49 R51 RRGNDREF: "Resistor, 0 Ohms Jumper 0.1W, 1/10W Chip Resistor 0603 (1608 Metric) Moisture Resistant Thick Film", Manufacturer_Name=YAGEO, Mouser Part Number=603-RC0603FR-070RL, Arrow Part Number=RC0603FR-070RL, Arrow Price/Stock=https://www.arrow.com/en/products/rc0603fr-070rl/yageo?region=nac, Datasheet Link=http://www.yageo.com/documents/recent/PYu-RC0603_51_RoHS_L_v5.pdf, Height=0.55mm, Manufacturer_Part_Number=RC0603FR-070RL, Mouser Price/Stock=https://www.mouser.co.uk/ProductDetail/YAGEO/RC0603FR-070RL?qs=0yPvnVz5%2FmpDQv43TwvCfw%3D%3D